# Altium PCB Waffling60-NMB.PcbDoc (part 2 of 3)
Units mm, origin at the board's own origin, x right, y up, seen from the top; angles counter-clockwise.
Board outline 284.7 x 94.21 mm, 2 copper layers (Component Side, Bottom Layer), stack 1.571 mm thick; 209 components, 132 nets, 867 pads, 230 vias.
Unrouted connection lines stored in the file: 4.
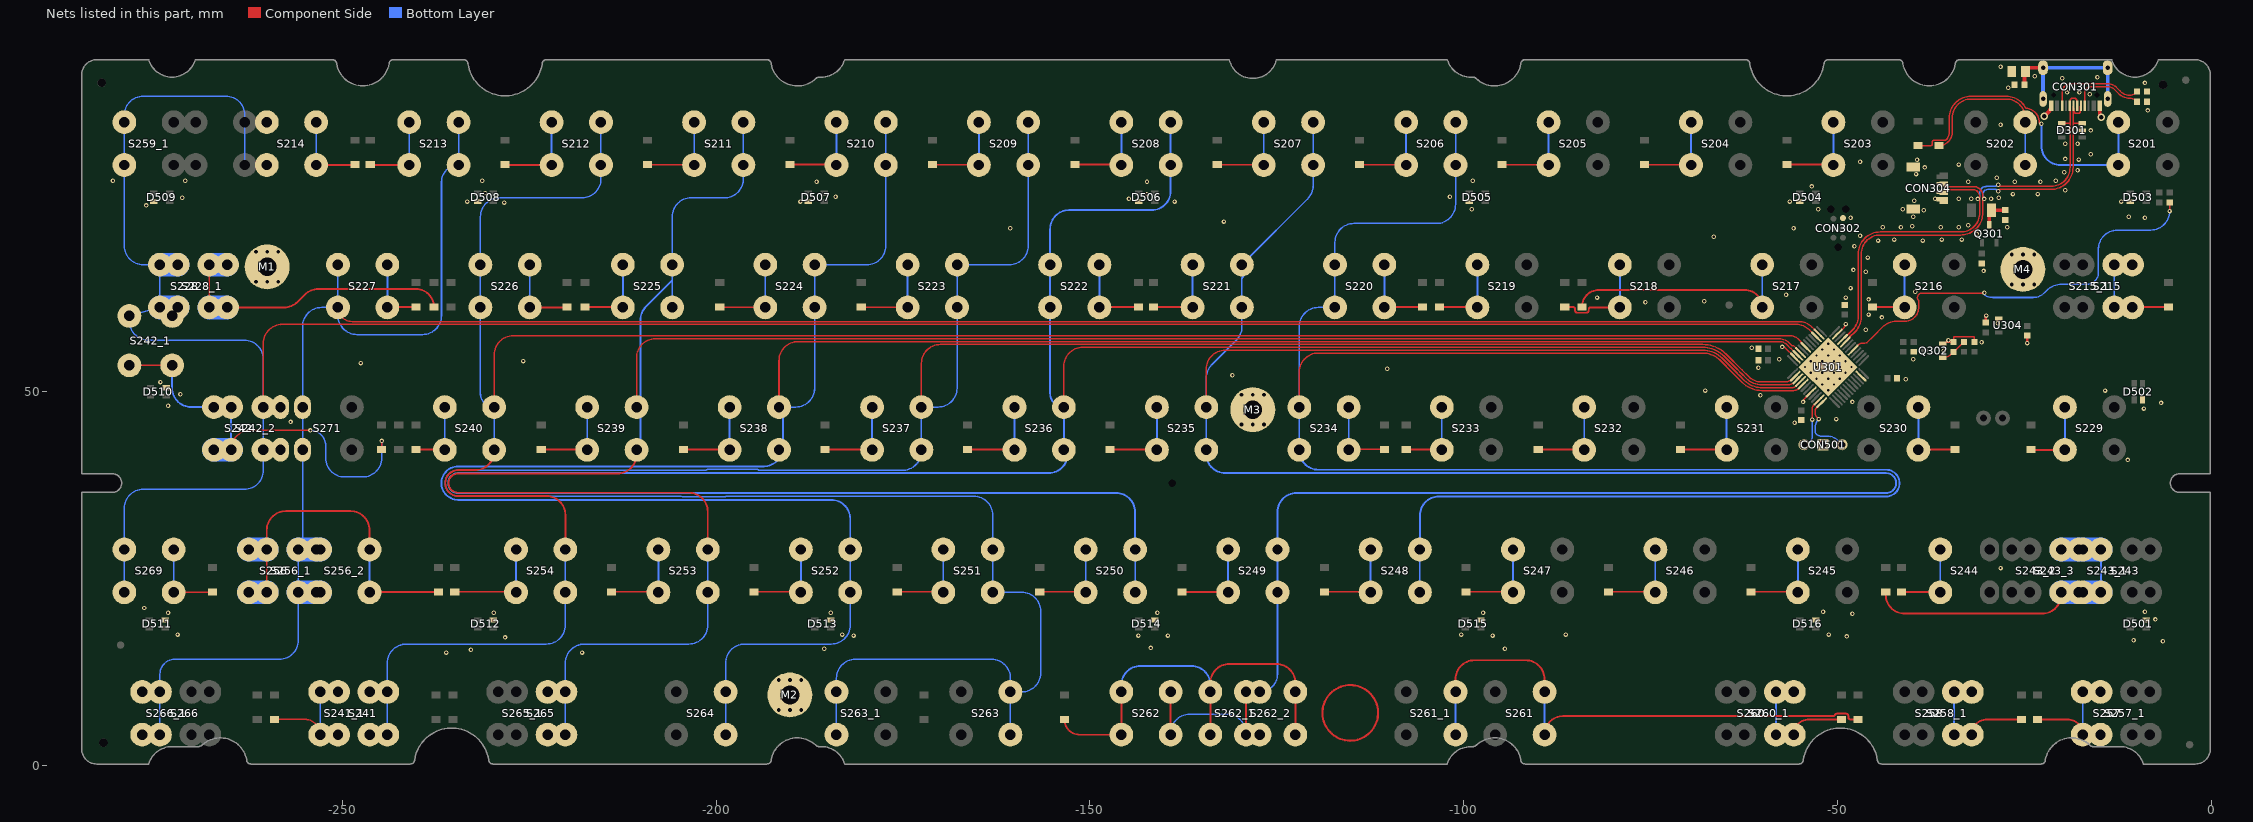
[diagram p2: the nets of this part, all layers, seen from the top]

## Via types
v1: diameter 0.6, hole 0.3, Component Side to Bottom Layer, tented both sides, 201 vias
v2: diameter 0.6, hole 0.3, Component Side to Bottom Layer, tented bottom, 25 vias
v3: diameter 1, hole 0.6, Component Side to Bottom Layer, tented both sides, 4 vias

## Nets (pads, with @x,y where several pads share a name; then routed paths per layer and width w, separated by ;. In a path a pad name is that pad's centre, name@x,y a point inside that pad or via, vN(x,y) a via of type N, cw(c..) or ccw(c..) an arc to the next point about the centre after c; other vN are vias at no path point) (continued)
col6: S206.2 S220.2 S234.2 S248.2 U301.5 | length 296.6
  Component Side w0.203: S234.2@-121.988,47.955 -121.988,52.643 cw(c-119.448,52.643) -119.448,55.183 -68.042,55.183 cw(c-68.042,51.877) -65.703,54.214 -63.97,52.48 -62.742,51.252 ccw(c-60.132,53.861) -60.132,50.171 -55.88,50.171 ccw(c-55.88,51.188) -55.31,50.346 ccw(c-55.88,51.188) -55.161,50.469 U301.5@-54.777,50.852
  Bottom Layer w0.203: S234.2@-121.988,42.235 S234.2@-121.988,47.955 -121.988,58.745 cw(c-119.448,58.745) -119.448,61.285 S220.2@-117.225,61.285 S220.2@-117.225,67.005 -117.225,69.977 cw(c-114.685,69.977) -114.685,72.517 -103.64,72.517 ccw(c-103.64,75.057) -101.1,75.057 S206.2@-101.1,80.335 S206.2@-101.1,86.055 ; S248.2@-105.862,23.185 S248.2@-105.862,28.905
  Bottom Layer w0.254: S234.2@-121.988,42.235 -121.988,42.116 ccw(c-119.448,42.116) -119.448,39.576 -43.5,39.576 cw(c-43.5,37.79) -43.5,36.004 -103.322,36.004 ccw(c-103.322,33.464) -105.862,33.464 S248.2@-105.862,28.905
col7: S207.2 S221.2 S235.2 S249.2 S262.1 S262_1.1 S262_2.1 U301.4 | length 368.1
  Component Side w0.203: S235.2@-134.437,47.955 -134.437,53.026 cw(c-131.897,53.026) -131.897,55.566 -68.042,55.566 cw(c-68.042,51.877) -65.431,54.484 -63.418,52.47 -63.328,52.381 -63.157,52.21 -62.471,51.523 ccw(c-60.132,53.861) -61.151,50.715 ccw(c-60.132,53.861) -60.597,50.587 ccw(c-60.132,53.861) -60.132,50.554 -56.022,50.554 ccw(c-56.022,51.069) -55.658,50.705 -55.157,51.206 U301.4@-55.131,51.206
  Component Side w0.254: S262.1@-139.199,4.135 S262.1@-139.199,9.855 ; S262_2.1@-129.123,4.135 S262_2.1@-129.123,9.855
  Bottom Layer w0.203: S262.1@-139.199,4.135 -139.199,4.318 cw(c-136.659,4.318) -136.659,6.858 -131.663,6.858 cw(c-131.663,4.318) -129.123,4.318 S262_2.1@-129.123,4.135 ; -134.437,49.784 -134.437,51.835 cw(c-131.897,51.835) -133.694,53.631 -130.419,56.906 ccw(c-132.215,58.702) -129.675,58.702 S221.2@-129.675,61.285 -129.675,65.178 ; S221.2@-129.675,67.005 -129.165,67.515 -120.894,75.786 ccw(c-122.69,77.582) -120.15,77.582 S207.2@-120.15,80.335 S207.2@-120.15,86.055 ; S262_1.1@-127.293,9.855 ccw(c-127.293,12.236) -124.912,12.236 S249.2@-124.912,23.185 S249.2@-124.912,28.905
  Bottom Layer w0.254: -134.437,49.784 S235.2@-134.437,47.955 S235.2@-134.437,42.235 -134.437,41.662 ccw(c-131.897,41.662) -131.897,39.122 -43.5,39.122 cw(c-43.5,37.79) -43.5,36.458 -122.372,36.458 ccw(c-122.372,33.918) -124.912,33.918 S249.2@-124.912,28.905 ; -129.675,65.178 ccw(c-131.705,66.705) -129.165,66.705 S221.2@-129.165,67.515
col8: S208.2 S222.2 S236.2 S250.2 U301.3 | length 355.6
  Component Side w0.203: S236.2@-153.487,47.955 -153.487,53.41 cw(c-150.947,53.41) -150.947,55.95 -68.042,55.95 cw(c-68.042,51.877) -65.159,54.754 -63.428,53.022 -63.242,52.836 ; -63.241,52.835 -63.051,52.646 ; -63.051,52.645 -62.885,52.48 -62.2,51.794 ccw(c-60.132,53.861) -62.198,51.792 ccw(c-60.132,53.861) -60.132,50.937 -56.572,50.937 ccw(c-56.572,51.999) U301.3@-55.822,51.248 ; U301.3@-55.822,51.248 -55.511,51.559 U301.3@-55.485,51.559
  Bottom Layer w0.203: S250.2@-143.962,23.185 S250.2@-143.962,28.905
  Bottom Layer w0.254: S236.2@-153.487,42.235 S236.2@-153.487,47.955 cw(c-153.487,49.793) -155.325,49.793 S222.2@-155.325,61.285 S222.2@-155.325,67.005 -155.325,71.755 cw(c-152.785,71.755) -152.785,74.295 -141.74,74.295 ccw(c-141.74,76.835) -139.2,76.835 S208.2@-139.2,80.335 S208.2@-139.2,86.055 ; S236.2@-152.977,41.662 cw(c-155.517,41.662) -155.517,39.122 -234.5,39.122 ccw(c-234.5,37.79) -234.5,36.458 -146.502,36.458 cw(c-146.502,33.918) -143.962,33.918 S250.2@-143.962,28.905
col9: S209.2 S223.2 S237.2 S251.2 S263.1 S263_1.1 U301.2 | length 397.3
  Component Side w0.203: S237.2@-172.537,47.955 -172.537,53.793 cw(c-169.997,53.793) -169.997,56.333 -68.042,56.333 cw(c-68.042,51.877) -64.888,55.024 -62.78,52.917 -61.928,52.065 ccw(c-60.132,53.861) -61.926,52.063 ccw(c-60.132,53.861) -60.132,51.321 -57.008,51.321 ccw(c-57.008,52.578) -56.42,51.467 cw(c-56.326,51.287) -56.414,51.47 ccw(c-56.598,51.86) -56.356,51.503 cw(c-56.243,51.334) -56.35,51.507 ccw(c-57.008,52.578) -56.267,51.562 ccw(c-56.613,52.036) -56.258,51.569 cw(c-56.136,51.407) -56.189,51.603 -56.169,51.583 -56.134,51.617 U301.2@-55.838,51.913
  Bottom Layer w0.203: S263_1.1@-183.899,4.135 S263_1.1@-183.899,9.855 -183.899,11.684 cw(c-181.359,11.684) -181.359,14.224 -163.171,14.224 cw(c-163.171,11.684) -160.631,11.684 S263.1@-160.631,9.855 ; S223.2@-167.775,65.432 S223.2@-167.775,61.285 -167.775,50.495 cw(c-170.315,50.495) -170.315,47.955 S237.2@-172.537,47.955 S237.2@-172.537,42.235 -172.537,42.037 cw(c-175.077,42.037) -174.651,39.533 cw(c-174.684,39.734) -174.683,39.53 -194.259,39.53 cw(c-194.259,39.734) -194.372,39.565 -194.405,39.587 ccw(c-194.518,39.418) -194.518,39.621 -201.122,39.621 ccw(c-201.121,39.418) -201.215,39.598 -201.305,39.552 cw(c-201.397,39.734) -201.396,39.53 -234.5,39.53 ccw(c-234.5,37.79) -234.505,36.05 -204.766,36.05 cw(c-204.766,35.846) -204.702,36.039 -204.492,35.969 ccw(c-204.428,36.162) -204.429,35.959 -198.839,35.959 ccw(c-198.839,36.162) -198.726,35.993 -198.693,36.015 cw(c-198.58,35.846) -198.58,36.05 -165.552,36.05 cw(c-165.552,33.51) -163.012,33.51 S251.2@-163.012,28.905 S251.2@-163.012,23.185 -159.131,23.185 cw(c-159.131,20.645) -156.591,20.645 -156.591,12.395 cw(c-159.131,12.395) -159.131,9.855 S263.1@-160.631,9.855 ; S223.2@-167.775,67.005 -167.265,67.005 -160.79,67.005 ccw(c-160.79,69.545) -158.25,69.545 S209.2@-158.25,80.335 S209.2@-158.25,86.055 ; S263.1@-160.631,4.135 S263.1@-160.631,9.855
  Bottom Layer w0.254: S223.2@-167.775,65.432 ccw(c-169.805,66.959) -167.265,66.959 S223.2@-167.265,67.005
col10: S210.2 S224.2 S238.2 S252.2 S264.2 U301.46 | length 349.6
  Component Side w0.203: S238.2@-191.587,47.955 -191.587,54.176 cw(c-189.047,54.176) -189.047,56.716 -57.836,56.716 cw(c-57.836,55.159) -56.736,56.261 ; -56.736,56.26 -56.28,55.804 -56.229,55.804 U301.46@-55.485,55.06
  Bottom Layer w0.203: S264.2@-198.731,4.135 S264.2@-198.731,9.855 -198.731,13.716 cw(c-196.191,13.716) -196.191,16.256 -184.602,16.256 ccw(c-184.602,18.796) -182.062,18.796 S252.2@-182.062,23.185 S252.2@-182.062,28.905 ; S238.2@-191.587,47.955 -191.077,47.955 -189.365,47.955 ccw(c-189.365,50.495) -186.825,50.495 S224.2@-186.825,61.285 S224.2@-186.825,67.005 -186.315,67.005 -179.84,67.005 ccw(c-179.84,69.545) -177.3,69.545 S210.2@-177.3,80.335 S210.2@-177.3,86.055
  Bottom Layer w0.254: S238.2@-191.077,47.955 -191.077,42.57 cw(c-193.617,42.57) -193.617,40.03 -234.5,40.03 ccw(c-234.5,37.79) -234.5,35.55 -184.602,35.55 cw(c-184.602,33.01) -182.062,33.01 S252.2@-182.062,28.905 ; S224.2@-186.315,66.578 S224.2@-186.315,67.005
col11: S211.2 S225.2 S239.2 S253.2 S265.1 S265_1.1 U301.45 | length 331.3
  Component Side w0.203: S239.2@-210.637,47.955 -210.637,54.559 cw(c-208.097,54.559) -208.097,57.099 -187.325,57.099 -69.342,57.099 -57.836,57.099 cw(c-57.836,55.159) -56.466,56.533 cw(c-57.836,55.159) -56.463,56.53 -56.121,56.187 -55.905,56.187 U301.45@-55.131,55.413
  Component Side w0.254: S239.2@-210.637,42.235 -210.637,41.622 cw(c-213.177,41.622) -213.177,39.082 -234.5,39.082 ccw(c-234.5,37.79) -234.51,36.498 ccw(c-234.505,36.958) -234.503,36.498 -208.408,36.498 ; -208.407,36.498 -207.772,36.498 -203.652,36.498 cw(c-203.652,33.958) -203.649,36.498 cw(c-203.652,33.958) -201.112,33.958 S253.2@-201.112,28.905
  Bottom Layer w0.203: S265.1@-220.162,4.135 S265.1@-220.162,9.855 -220.162,13.716 cw(c-217.622,13.716) -217.622,16.256 -203.652,16.256 ccw(c-203.652,18.796) -201.112,18.796 S253.2@-201.112,23.185 S253.2@-201.112,28.905 ; S225.2@-205.875,61.285 -205.875,64.924 S225.2@-205.875,67.005 -205.875,73.406 cw(c-203.335,73.406) -203.335,75.946 -198.89,75.946 ccw(c-198.89,78.486) -198.239,76.031 ccw(c-198.89,78.486) -196.43,77.855 ccw(c-198.89,78.486) -196.35,78.486 S211.2@-196.35,80.335 S211.2@-196.35,86.055
  Bottom Layer w0.254: S239.2@-210.127,43.024 -210.127,59.584 cw(c-207.587,59.584) -209.384,61.38 -206.109,64.655 ccw(c-207.905,66.451) -205.875,64.924
col12: S212.2 S226.2 S240.2 S241.1 S241_1.1 S254.2 U301.43 | length 321.7
  Component Side w0.203: S240.2@-229.687,47.955 -229.687,54.942 cw(c-227.147,54.942) -227.147,57.482 -188.087,57.482 -69.596,57.482 -56.284,57.482 cw(c-56.284,56.048) -55.27,57.063 ; -55.269,57.062 -54.849,56.642 -54.849,56.545 U301.43@-54.424,56.12
  Component Side w0.254: S240.2@-229.687,42.235 -229.687,42.056 cw(c-232.227,42.056) -232.227,39.516 -234.5,39.516 ccw(c-234.5,37.79) -234.513,36.064 ccw(c-234.505,36.958) -234.502,36.064 -227.457,36.064 -222.702,36.064 cw(c-222.702,33.524) -220.162,33.524 S254.2@-220.162,28.905
  Bottom Layer w0.203: S241.1@-243.974,4.135 S241.1@-243.974,9.855 -243.974,13.716 cw(c-241.434,13.716) -241.434,16.256 -222.702,16.256 ccw(c-222.702,18.796) -220.162,18.796 S254.2@-220.162,23.185 S254.2@-220.162,28.905 ; S240.2@-229.687,42.235 S240.2@-229.687,47.955 cw(c-229.687,49.793) -231.525,49.793 S226.2@-231.525,61.285 S226.2@-231.525,67.005 -231.525,73.406 cw(c-228.985,73.406) -228.985,75.946 -217.94,75.946 ccw(c-217.94,78.486) -215.4,78.486 S212.2@-215.4,80.335 S212.2@-215.4,86.055
col13: S213.2 S227.2 S256.2 S256_1.2 S256_2.2 S266.2 S266_1.2 S271.2 U301.38 | length 333.9
  Component Side w0.203: S227.2@-250.575,61.285 ccw(c-248.688,61.285) -248.688,59.398 -55.219,59.398 cw(c-55.219,56.858) -53.423,58.654 U301.38@-52.656,57.888
  Bottom Layer w0.203: S266.2@-274.387,4.135 S266.2@-274.387,9.855 -274.387,12.23 cw(c-272.393,12.23) -272.393,14.224 -258.421,14.224 ccw(c-258.421,16.764) -255.881,16.764 S256.2@-255.881,23.185 S256.2@-255.881,28.905 ccw(c-255.881,29.474) -255.312,29.474 S271.2@-255.312,42.235 S271.2@-255.312,47.955 -255.312,58.745 cw(c-252.772,58.745) -252.772,61.285 S227.2@-250.575,61.285 ; S227.2@-250.575,67.005 S227.2@-250.575,61.285 ; S213.2@-234.45,86.055 S213.2@-234.45,80.335 ccw(c-234.45,78.057) -236.728,78.057 -236.728,60.198 cw(c-239.268,60.198) -239.268,57.658 -248.035,57.658 cw(c-248.035,60.198) -250.575,60.198 S227.2@-250.575,61.285
  Bottom Layer w0.254: S256_1.2@-252.219,29.454 ccw(c-252.449,29.561) S256_1.2@-252.195,29.562
  Bottom Layer w3.18: S256.2@-255.881,23.185 S256_1.2@-253.5,23.185 S256_2.2@-252.956,23.185 ; S256.2@-255.881,28.905 S256_1.2@-253.5,28.905 S256_2.2@-252.956,28.905
col14: S214.2 S228.2 S228_1.2 S242.2 S242_1.2 S242_2.2 S259_1.2 S269.2 U301.39 | length 353.6
  Component Side w0.203: S242.2@-260.561,47.955 -260.561,56.475 cw(c-258.021,56.475) -258.021,59.015 -55.538,59.015 cw(c-55.538,56.487) -53.751,58.276 ; -53.75,58.275 U301.39@-53.01,57.534
  Bottom Layer w0.203: S269.2@-279.15,23.185 S269.2@-279.15,28.905 -279.15,34.417 cw(c-276.61,34.417) -276.61,36.957 -263.101,36.957 ccw(c-263.101,39.497) -260.561,39.497 S242.2@-260.561,42.235 S242.2@-260.561,47.955 -260.561,54.356 ccw(c-263.101,54.356) -263.101,56.896 -275.931,56.896 cw(c-275.931,59.436) -278.471,59.436 S242_1.2@-278.471,60.145 S228.2@-274.388,61.285 S228.2@-274.388,67.005 -276.61,67.005 cw(c-276.61,69.545) -279.15,69.545 S259_1.2@-279.15,80.335 S259_1.2@-279.15,86.055 -279.15,86.995 cw(c-276.61,86.995) -276.61,89.535 -265.565,89.535 cw(c-265.565,86.995) -263.025,86.995 -263.025,86.055 -263.025,80.335
  Bottom Layer w0.254: S228.2@-273.871,65.811 ccw(c-274.101,65.919) -273.849,65.956 cw(c-271.087,66.365) -273.648,67.478 ccw(c-273.881,67.578) S228.2@-273.627,67.576 ; S242_1.2@-272.751,59.38 S228_1.2@-272.751,60.145
  Bottom Layer w3.18: S228.2@-274.305,61.285 S228_1.2@-272.026,61.285 ; S228.2@-274.284,67.005 S228_1.2@-272.006,67.005
D_N: CON301.A7 CON301.B7 CON304.2 D301.3 U301.32 | length 67.2
  Component Side w0.2: U301.32@-48.802,56.827 -48.802,56.854 -48.346,57.311 -48.346,57.352 -47.652,58.046 ccw(c-49.609,60.004) -47.649,58.049 ccw(c-49.609,60.004) -46.841,60 ccw(c-49.609,60.004) -46.841,60.004 -46.841,68.431 cw(c-44.301,68.431) -44.301,70.971 -33.528,70.971 ccw(c-33.528,73.914) -32.867,71.046 ccw(c-33.528,73.914) -30.66,73.253 ccw(c-33.528,73.914) -30.585,73.914 -30.585,76.24 ccw(c-31.796,76.24) -31.796,77.452 -35.402,77.452 cw(c-35.402,77.85) CON304.2@-35.8,77.85 ; v1(-28.5,76.82) -28.253,77.067 -21.442,77.067 ccw(c-21.442,80.01) -18.498,80.01 -18.498,85.852 ; CON301.B7@-17.45,88.25 -17.5,88.18 -17.502,88.18 ccw(c-17.32,88.097) -17.52,88.097 -17.52,87.525 cw(c-17.8,87.525) -17.8,87.245 -18.1,87.245 cw(c-18.1,87.525) -18.38,87.525 -18.38,87.674 ccw(c-18.58,87.674) -18.398,87.757 -18.4,87.757 -18.498,88.202 -18.498,85.852 ; D301.3@-17.294,85.913 -18.351,85.913 ccw(c-18.351,85.705) -18.498,85.852
  Bottom Layer w0.2: v1(-30.37,75.8) -30.37,75.884 -30.603,76.117 -30.603,76.383 cw(c-29.928,76.383) -30.479,76.774 cw(c-29.928,76.383) -30.319,76.934 cw(c-29.928,76.383) -29.928,77.058 -28.817,77.058 -28.579,76.82 v1(-28.5,76.82)
D_P: CON301.A6 CON301.B6 CON304.3 D301.4 U301.33 | length 66.3
  Component Side w0.2: U301.33@-49.156,57.181 -49.129,57.181 -48.672,57.637 -48.631,57.637 -47.937,58.331 ccw(c-49.612,60.005) -47.244,60.005 -47.244,68.431 cw(c-44.301,68.431) -44.301,71.374 -33.528,71.374 ccw(c-33.528,73.914) -33.067,71.416 ccw(c-33.528,73.914) -31.03,73.453 ccw(c-33.528,73.914) -30.988,73.914 -30.988,76.073 ccw(c-31.963,76.073) -31.963,77.048 -35.402,77.048 ccw(c-35.402,76.65) CON304.3@-35.8,76.65 ; v1(-28.5,77.7) -28.27,77.47 -21.442,77.47 ccw(c-21.442,80.01) -18.902,80.01 -18.902,85.979 ; D301.4@-20.044,85.913 -19.061,85.913 ccw(c-19.061,86.138) -18.902,85.979 ; CON301.A6@-17.95,88.25 -18,88.373 -18.018,88.373 cw(c-17.82,88.402) -18.02,88.401 -18.02,88.975 ccw(c-18.3,88.975) -18.3,89.255 -18.6,89.255 ccw(c-18.6,88.975) -18.88,88.975 -18.88,88.701 cw(c-19.08,88.702) -18.881,88.688 -18.9,88.688 CON301.B6@-18.95,88.25 -18.902,88.202 -18.902,85.979
  Bottom Layer w0.2: v1(-31.24,75.8) -31.24,75.884 -31.007,76.117 -31.007,76.55 cw(c-30.095,76.55) -30.946,76.877 cw(c-30.095,76.55) -30.422,77.401 cw(c-30.095,76.55) -30.095,77.462 -28.817,77.462 -28.579,77.7 v1(-28.5,77.7)
ENC_A: CON501.3 U301.12 | length 8.6
  Component Side w0.203: -52.756,46.609 v1(-52.502,46.355) ; -52.757,46.61 cw(c-52.143,47.222) -53.01,47.222 -53.01,47.433 cw(c-52.501,47.433) -52.861,47.792 -52.303,48.351 U301.12@-52.303,48.377
  Bottom Layer w0.203: v1(-52.502,46.355) -52.583,46.274 ccw(c-51.552,45.243) -52.652,46.201 ccw(c-51.552,45.243) -53.01,45.243 -53.01,44.644 ccw(c-52.807,44.645) -52.988,44.553 ccw(c-52.197,44.958) -52.502,44.123 ccw(c-52.197,44.958) -52.197,44.069 -51.371,44.069 cw(c-51.371,42.076) -49.962,43.485 CON501.3@-49.403,42.926
ENC_B: CON501.1 U301.11 | length 6.7
  Component Side w0.203: v1(-53.393,46.281) -53.393,47.678 cw(c-52.631,47.678) -53.17,48.217 U301.11@-52.656,48.731
  Bottom Layer w0.203: CON501.1@-54.483,42.926 ccw(c-54.483,44.016) -53.393,44.016 v1(-53.393,46.281)
GND: C301.1 C302.1 C303.1 C304.1 C305.1 C306.1 C307.1 C308.1 C310.2 C312.1 CON301.A1B12 CON301.B1A12 CON302.5 CON304.4 CON304.5 CON501.2 D301.2 D501.3 D502.3 D503.3 D504.3 D505.3 D506.3 D507.3 D508.3 D509.3 D510.3 D511.3 D512.3 D513.3 D514.3 D515.3 D516.3 L301.1 M1.1 M2.1 M3.1 M4.1 Q302.2 R301.2 R302.2 R304.2 R305.2 R307.2 U301.8 U301.23 U301.35 U301.47 U304.1 | length 53.4
  Component Side w0.2: Q302.2@-35.954,56.449 -35.554,56.599 -34.812,56.599 R305.2@-34.487,56.642 -34.487,57.391 -31.693,57.391 R304.2@-31.693,56.657 ; v1(-28.575,59.182) -28.575,59.709 cw(c-28.463,59.709) U304.1@-28.463,59.821
  Component Side w0.203: v1(-57.404,56.007) cw(c-57.404,55.368) -56.952,55.82 U301.47@-55.838,54.706 ; v1(-54.61,48.641) cw(c-53.989,48.641) -54.428,49.08 U301.8@-53.717,49.792 ; U301.35@-49.863,57.888 ccw(c-49.907,58.086) -49.764,57.942 -49.16,58.546 ccw(c-49.68,59.066) -48.955,58.943 cw(c-48.755,58.908) v1(-48.895,59.055)
  Component Side w0.279: -111.462,7.175 cw(c-115.18,7.051) -111.463,7.189
  Component Side w0.3: C308.1@-30.169,59.239 v1@-30.169,60.24 ; v1(-24.638,56.515) C307.1@-24.638,57.516
  Component Side w0.5: v3(-22.352,86.868) -21.789,87.431 ccw(c-22.609,88.25) -21.475,88.009 ccw(c-22.609,88.25) CON301.B1A12@-21.45,88.25 ; CON301.A1B12@-14.95,88.25 -14.95,87.267 ccw(c-14.206,87.267) v3(-14.732,86.741)
  Bottom Layer w0.2: v2(-54.371,53.309) v2(-52.815,51.754) v2(-51.26,50.198) ; v2(-52.037,55.643) v2(-51.26,54.865) v2(-49.704,53.309) v2(-48.926,52.532) ; v2(-51.26,56.421) v2(-49.704,54.865) v2(-48.148,53.309)
  other v1: -236.093,15.113 -217.932,15.113 -232.791,15.494 -185.547,15.621 -94.488,15.621 -141.859,15.748 -6.477,16.637 -10.414,16.764 -228.219,17.145 -48.768,17.272 -181.61,17.399 -143.51,17.399 -139.573,17.399 -96.139,17.399 -272.034,17.526 -183.134,17.526 -100.33,17.526 -86.36,17.526 -51.181,17.526 -7.493,19.558 -48.006,20.32 -273.304,20.447 -229.743,20.447 -184.658,20.447 -140.97,20.447 -97.409,20.447 -51.943,20.574 -8.89,20.574 -276.479,21.082 -28.194,26.416 -11.176,40.894 -55.753,45.847 -256.921,45.974 -50.165,46.355 -9.017,47.752 -273.304,48.133 -6.731,48.514 -48.006,48.641 -60.325,49.53 -271.653,49.657 -67.691,50.165 -14.224,50.165 -274.32,51.308 -40.894,51.689 -130.937,52.197 -110.236,53.086 -60.579,53.213 -247.523,53.848 -225.806,54.102 -57.785,54.356 -39.878,54.356 -35.814,55.499 -61.468,55.88 -30.734,56.642 -35.179,56.896 -46.228,58.293 -44.069,59.944 -30.099,60.198 -45.847,60.325 -75.692,61.976 -67.818,62.103 -45.847,62.357 -82.169,62.611 -48.895,62.611 -56.896,62.992 -39.624,63.373 -48.26,63.881 -46.228,66.04 -30.48,66.167 -47.879,66.294 -45.974,67.945 -47.752,69.469 -44.577,70.231 -38.608,70.231 -42.418,70.358 -36.068,70.358 -33.401,70.358 -66.548,70.739 -46.99,70.866 -31.369,71.12 -160.655,71.882 -55.88,71.882 -43.942,72.009 -41.529,72.009 -36.195,72.009 -33.782,72.009 -27.305,72.009 -40.005,72.136 -32.512,72.263 -132.08,72.771 -48.26,73.279 -8.89,73.279 -39.878,73.406 -11.049,73.406 -38.481,74.295 -98.933,74.422 -52.578,74.422 -41.275,74.422 -276.225,74.93 -228.346,75.311 -233.299,75.438 -188.722,75.438 -138.684,75.438 -56.388,75.438 -12.065,75.438 -39.751,75.565 -144.78,75.819 -36.957,75.819 -33.782,75.819 -32.131,75.819 -29.464,75.819 -271.399,75.946 -28.448,75.946 -184.023,76.073 -101.854,76.073 -142.367,76.454 -26.543,76.454 -23.241,76.454 -230.886,76.581 -19.558,76.962 -53.467,77.47 -186.563,78.105 -142.367,78.105 -32.512,78.105 -26.289,78.105 -22.86,78.105 -280.67,78.232 -271.018,78.232 -231.267,78.232 -98.806,78.232 -20.828,78.232 -28.702,78.613 -39.497,79.121 -19.685,79.375 -17.907,79.629 -38.354,80.01 -33.782,80.391 -46.99,80.772 -39.37,81.026 -17.741,81.067 -19.558,81.153 -16.129,81.788 -19.558,83.185 -17.907,83.185 -16.129,84.963 -28.194,85.725 -8.509,87.63 -16.256,89.789 -19.304,90.043 -17.653,90.043 -27.178,90.678 -8.89,91.313 -19.939,91.948 -15.24,92.075 -23.622,92.202 -28.194,93.472
  other v2: -52.037,50.976 -50.482,50.976 -51.26,51.754 -49.704,51.754 -53.593,52.532 -52.037,52.532 -50.482,52.532 -52.815,53.309 -51.26,53.309 -53.593,54.087 -52.037,54.087 -50.482,54.087 -48.926,54.087 -52.815,54.865 -50.482,55.643
LED: R308.2 U301.29 | length 55.4
  Component Side w0.203: U301.29@-47.742,55.767 -47.265,56.243 cw(c-46.609,55.587) -46.609,56.515 -46.518,56.515 ccw(c-46.518,59.055) -46.168,56.539 ccw(c-46.197,56.74) -46.054,56.596 -45.211,57.439 -43.972,58.678 cw(c-42.176,56.882) -42.176,59.422 -41.199,59.422 ccw(c-41.025,61.285) -39.157,61.169 ccw(c-41.025,61.285) -39.156,61.381 cw(c-38.953,61.39) -39.156,61.389 -39.156,62.136 ccw(c-39.359,62.135) -39.197,62.258 cw(c-38.735,62.611) -38.735,63.193 -30.482,63.193 ccw(c-30.482,63.375) v1(-30.353,63.246) ; v1(-5.588,74.168) R308.2@-5.588,75.35
  Bottom Layer w0.203: v1(-30.353,63.246) -30.353,63.077 ccw(c-30.15,63.078) -30.257,62.905 ccw(c-29.22,64.603) -29.22,62.613 -23.85,62.613 ccw(c-23.85,64.77) -22.324,63.246 -22.022,63.548 cw(c-19.988,61.517) -19.988,64.391 -16.635,64.391 ccw(c-16.635,65.913) -15.113,65.913 -15.113,69.088 cw(c-12.573,69.088) -12.573,71.628 -8.128,71.628 ccw(c-8.128,74.168) v1(-5.588,74.168)
NetC306_2: C306.2 F301.1 Q301.3 | length 4
  Component Side w0.5: Q301.3@-29.718,72.32 -29.718,73.961 cw(c-29.384,73.961) F301.1@-29.384,74.295 -27.559,74.295 C306.2@-27.559,74.31
NetC309_2: C309.2 Q302.1 R305.1 | length 3.7
  Component Side w0.203: Q302.1@-35.954,54.549 ccw(c-35.954,56.176) -34.803,55.026 R305.1@-34.487,55.342 -34.189,55.64 -34.132,55.64 -33.115,56.657 C309.2@-33.09,56.657
NetC312_2: C312.2 CON301.S1 L301.2 | length 21.5
  Component Side w0.5: C312.2@-25.004,91.059 -25.004,92.694 cw(c-24.861,92.694) L301.2@-24.861,92.837 cw(c-24.353,92.837) -24.353,93.345 CON301.S1@-22.52,93.345
  Bottom Layer w0.5: CON301.S1@-22.52,89.165 CON301.S1@-22.52,93.345 CON301.S1@-13.88,93.345 CON301.S1@-13.88,89.165
NetCON301_A5: CON301.A5 R301.1 | length 9.9
  Component Side w0.203: CON301.A5@-16.95,88.25 -16.95,89.984 cw(c-16.129,89.984) -16.129,90.805 -13.843,90.805 cw(c-13.843,89.579) -12.976,90.446 -12.636,90.106 -12.49,89.96 -12.436,89.906 ccw(c-10.922,91.42) -10.922,89.279 cw(c-10.922,88.083) -10.077,88.929 R301.1@-9.921,88.773
NetCON301_B5: CON301.B5 R302.1 | length 13.1
  Component Side w0.203: CON301.B5@-19.95,88.25 -19.95,90.078 cw(c-18.84,90.078) -18.84,91.188 -13.843,91.188 cw(c-13.843,89.579) -12.704,90.716 -12.366,90.378 -12.219,90.231 ; -12.218,90.23 cw(c-12.074,90.373) -12.219,90.231 ; -12.218,90.229 -12.167,90.179 ccw(c-10.922,91.42) -10.922,89.662 ccw(c-10.922,90.852) -10.08,90.011 R302.1@-9.921,90.17
NetD201_1: D201.1 S201.1 | length 43.5
  Component Side w0.203: D201.1@-39.243,82.923 -37.544,82.923 ccw(c-37.544,83.126) -37.341,83.126 -37.341,83.378 cw(c-37.059,83.378) -37.059,83.66 -35.601,83.66 ccw(c-35.602,83.863) -35.458,83.719 ccw(c-36.449,84.701) -35.114,84.297 ccw(c-36.449,84.701) -35.054,84.701 -35.054,86.614 cw(c-32.131,86.614) -32.131,89.537 -27.44,89.537 cw(c-27.44,86.614) -25.664,88.936 cw(c-27.44,86.614) -25.115,88.386 cw(c-27.44,86.614) -24.878,88.021 ccw(c-24.7,88.12) -24.721,87.918 cw(c-24.9,86.055) -24.255,87.812 cw(c-24.9,86.055) -23.08,86.49 cw(c-24.9,86.055) -23.028,86.051 ccw(c-22.825,86.052) -22.86,85.852 v1(-22.733,85.852)
  Bottom Layer w0.254: v1(-22.733,85.852) -22.733,82.875 ccw(c-20.193,82.875) -20.193,80.335 S201.1@-12.45,80.335 S201.1@-12.45,86.055
NetD202_1: D202.1 S202.1 | length 23.7
  Component Side w0.203: D202.1@-36.449,82.923 ccw(c-36.449,84.701) -34.671,84.701 -34.671,86.614 cw(c-32.131,86.614) -32.131,89.154 -27.44,89.154 cw(c-27.44,86.614) -24.9,86.614 S202.1@-24.9,86.055
  Bottom Layer w0.254: S202.1@-24.9,80.335 S202.1@-24.9,86.055
NetD203_1: D203.1 S203.1 | length 12
  Component Side w0.254: D203.1@-56.769,80.383 -50.598,80.383 cw(c-50.598,80.335) S203.1@-50.55,80.335
  Bottom Layer w0.254: S203.1@-50.55,80.335 S203.1@-50.55,86.055
NetD204_1: D204.1 S204.1 | length 12
  Component Side w0.203: D204.1@-75.819,80.383 -69.648,80.383 cw(c-69.648,80.335) S204.1@-69.6,80.335
  Bottom Layer w0.254: S204.1@-69.6,80.335 S204.1@-69.6,86.055
NetD205_1: D205.1 S205.1 | length 12
  Component Side w0.203: D205.1@-94.869,80.383 -88.698,80.383 cw(c-88.698,80.335) S205.1@-88.65,80.335
  Bottom Layer w0.254: S205.1@-88.65,80.335 S205.1@-88.65,86.055
NetD206_1: D206.1 S206.1 | length 12
  Component Side w0.203: D206.1@-113.919,80.383 -107.748,80.383 cw(c-107.748,80.335) S206.1@-107.7,80.335
  Bottom Layer w0.254: S206.1@-107.7,80.335 S206.1@-107.7,86.055
NetD207_1: D207.1 S207.1 | length 12
  Component Side w0.203: D207.1@-132.969,80.383 -126.798,80.383 cw(c-126.798,80.335) S207.1@-126.75,80.335
  Bottom Layer w0.254: S207.1@-126.75,80.335 S207.1@-126.75,86.055
NetD208_1: D208.1 S208.1 | length 12
  Component Side w0.254: D208.1@-152.019,80.383 -145.848,80.383 cw(c-145.848,80.335) S208.1@-145.8,80.335
  Bottom Layer w0.254: S208.1@-145.8,80.335 S208.1@-145.8,86.055
NetD209_1: D209.1 S209.1 | length 12
  Component Side w0.203: D209.1@-171.069,80.383 -164.898,80.383 cw(c-164.898,80.335) S209.1@-164.85,80.335
  Bottom Layer w0.254: S209.1@-164.85,80.335 S209.1@-164.85,86.055
NetD210_1: D210.1 S210.1 | length 12
  Component Side w0.254: D210.1@-190.119,80.383 -183.948,80.383 cw(c-183.948,80.335) S210.1@-183.9,80.335
  Bottom Layer w0.254: S210.1@-183.9,80.335 S210.1@-183.9,86.055
NetD211_1: D211.1 S211.1 | length 12
  Component Side w0.203: D211.1@-209.169,80.383 -202.998,80.383 cw(c-202.998,80.335) S211.1@-202.95,80.335
  Bottom Layer w0.203: S211.1@-202.95,80.335 S211.1@-202.95,86.055
NetD212_1: D212.1 S212.1 | length 12
  Component Side w0.254: D212.1@-228.219,80.383 ccw(c-228.103,80.499) -228.103,80.335 S212.1@-222,80.335
  Bottom Layer w0.254: S212.1@-222,80.335 S212.1@-222,86.055
NetD213_1: D213.1 S213.1 | length 10.9
  Component Side w0.254: D213.1@-246.253,80.383 ccw(c-246.137,80.499) -246.137,80.335 S213.1@-241.05,80.335
  Bottom Layer w0.203: S213.1@-241.05,80.335 S213.1@-241.05,86.055
NetD214_1: D214.1 S214.1 | length 10.9
  Component Side w0.254: S214.1@-253.5,80.335 -248.401,80.335 ccw(c-248.401,80.499) D214.1@-248.285,80.383
  Bottom Layer w0.203: S214.1@-253.5,80.335 S214.1@-253.5,86.055
NetD215_1: D215.1 S215.1 S215_1.1 | length 10.6
  Component Side w0.254: S215.1@-10.612,61.285 cw(c-10.565,61.285) -10.565,61.333 D215.1@-5.715,61.333
  Bottom Layer w0.254: S215_1.1@-12.994,61.285 S215_1.1@-12.994,67.005
NetD216_1: D216.1 S216.1 | length 10.1
  Component Side w0.254: D216.1@-45.339,61.333 -41.073,61.333 cw(c-41.073,61.285) S216.1@-41.025,61.285
  Bottom Layer w0.254: S216.1@-41.025,61.285 S216.1@-41.025,67.005
NetD217_1: D217.1 S217.1 | length 32.5
  Component Side w0.254: D217.1@-84.201,61.333 cw(c-81.907,61.333) -81.907,63.627 -62.417,63.627 cw(c-62.417,61.285) S217.1@-60.075,61.285
  Bottom Layer w0.254: S217.1@-60.075,61.285 S217.1@-60.075,67.005
NetD218_1: D218.1 S218.1 | length 14.1
  Component Side w0.254: D218.1@-86.487,61.333 -85.372,61.333 cw(c-85.372,61.079) -85.118,61.079 -85.118,60.878 ccw(c-84.811,60.878) -84.811,60.571 -83.591,60.571 ccw(c-83.591,60.878) -83.284,60.878 -83.284,61.031 cw(c-83.03,61.031) -83.03,61.285 S218.1@-79.125,61.285
  Bottom Layer w0.254: S218.1@-79.125,61.285 S218.1@-79.125,67.005
NetD219_1: D219.1 S219.1 | length 10.8
  Component Side w0.254: D219.1@-103.251,61.333 -98.223,61.333 cw(c-98.223,61.285) S219.1@-98.175,61.285
  Bottom Layer w0.254: S219.1@-98.175,61.285 S219.1@-98.175,67.005
NetD220_1: D220.1 S220.1 | length 10.8
  Component Side w0.254: S220.1@-110.625,61.285 cw(c-110.577,61.285) -110.577,61.333 D220.1@-105.537,61.333
  Bottom Layer w0.254: S220.1@-110.625,61.285 S220.1@-110.625,67.005
NetD221_1: D221.1 S221.1 | length 11
  Component Side w0.254: D221.1@-141.478,61.333 -136.323,61.333 cw(c-136.323,61.285) S221.1@-136.275,61.285
  Bottom Layer w0.254: S221.1@-136.275,61.285 S221.1@-136.275,67.005
NetD222_1: D222.1 S222.1 | length 11
  Component Side w0.254: S222.1@-148.725,61.285 cw(c-148.677,61.285) -148.677,61.333 D222.1@-143.51,61.333
  Bottom Layer w0.254: S222.1@-148.725,61.285 S222.1@-148.725,67.005
NetD223_1: D223.1 S223.1 | length 12
  Component Side w0.203: D223.1@-180.594,61.333 -174.423,61.333 cw(c-174.423,61.285) S223.1@-174.375,61.285
  Bottom Layer w0.254: S223.1@-174.375,61.285 S223.1@-174.375,67.005
NetD224_1: D224.1 S224.1 | length 11.8
  Component Side w0.203: D224.1@-199.517,61.333 -193.473,61.333 cw(c-193.473,61.285) S224.1@-193.425,61.285
  Bottom Layer w0.254: S224.1@-193.425,61.285 S224.1@-193.425,67.005
NetD225_1: D225.1 S225.1 | length 10.8
  Component Side w0.254: D225.1@-217.551,61.333 -212.591,61.333 cw(c-212.591,61.169) S225.1@-212.475,61.285
  Bottom Layer w0.254: S225.1@-212.475,61.285 S225.1@-212.475,67.005
NetD226_1: D226.1 S226.1 | length 10.7
  Component Side w0.254: S226.1@-224.925,61.285 -220.08,61.285 ccw(c-220.08,61.449) D226.1@-219.964,61.333
  Bottom Layer w0.203: S226.1@-224.925,61.285 S226.1@-224.925,67.005
NetD227_1: D227.1 S227.1 | length 9.6
  Component Side w0.254: S227.1@-243.975,61.285 cw(c-243.859,61.169) -243.859,61.333 D227.1@-240.157,61.333
  Bottom Layer w0.254: S227.1@-243.975,61.285 S227.1@-243.975,67.005
NetD228_1: D228.1 S228.1 S228_1.1 | length 42.5
  Component Side w0.254: S228.1@-267.787,67.005 S228.1@-267.787,61.285 S228_1.1@-265.406,61.285 -257.776,61.285 ccw(c-257.776,63.825) -255.98,62.028 -254.998,63.01 cw(c-253.202,61.214) -253.202,63.754 -240.165,63.754 cw(c-240.165,61.333) D228.1@-237.744,61.333
  Bottom Layer w3.18: S228.1@-267.746,61.285 S228_1.1@-265.467,61.285 ; S228.1@-267.725,67.005 S228_1.1@-265.447,67.005
NetD229_1: D229.1 S229.2 | length 10.3
  Component Side w0.254: D229.1@-24.13,42.283 ccw(c-24.082,42.283) -24.082,42.235 S229.2@-19.594,42.235
  Bottom Layer w0.254: S229.2@-19.594,42.235 S229.2@-19.594,47.955
NetD230_1: D230.1 S230.1 | length 10.6
  Component Side w0.254: S230.1@-39.187,42.235 cw(c-39.14,42.235) -39.14,42.283 D230.1@-34.29,42.283
  Bottom Layer w0.254: S230.1@-39.187,42.235 S230.1@-39.187,47.955
NetD231_1: D231.1 S231.1 | length 11.9
  Component Side w0.254: D231.1@-70.993,42.283 -64.885,42.283 cw(c-64.885,42.235) S231.1@-64.838,42.235
  Bottom Layer w0.254: S231.1@-64.838,42.235 S231.1@-64.838,47.955
NetD232_1: D232.1 S232.1 | length 11.9
  Component Side w0.254: D232.1@-90.043,42.283 -83.935,42.283 cw(c-83.935,42.235) S232.1@-83.888,42.235
  Bottom Layer w0.254: S232.1@-83.888,42.235 S232.1@-83.888,47.955
NetD233_1: D233.1 S233.1 | length 10.5
  Component Side w0.254: D233.1@-107.696,42.283 -102.985,42.283 cw(c-102.985,42.235) S233.1@-102.938,42.235
  Bottom Layer w0.254: S233.1@-102.938,42.235 S233.1@-102.938,47.955
NetD234_1: D234.1 S234.1 | length 10.5
  Component Side w0.203: S234.1@-115.387,42.235 cw(c-115.34,42.235) -115.34,42.283 D234.1@-110.617,42.283
  Bottom Layer w0.203: S234.1@-115.387,42.235 S234.1@-115.387,47.955
NetD235_1: D235.1 S235.1 | length 12
  Component Side w0.254: D235.1@-147.32,42.283 -141.085,42.283 cw(c-141.085,42.235) S235.1@-141.038,42.235
  Bottom Layer w0.254: S235.1@-141.038,42.235 S235.1@-141.038,47.955
NetD236_1: D236.1 S236.1 | length 12
  Component Side w0.254: D236.1@-166.37,42.283 -160.135,42.283 cw(c-160.135,42.235) S236.1@-160.088,42.235
  Bottom Layer w0.254: S236.1@-160.088,42.235 S236.1@-160.088,47.955
NetD237_1: D237.1 S237.1 | length 12
  Component Side w0.254: D237.1@-185.42,42.283 -179.185,42.283 cw(c-179.185,42.235) S237.1@-179.138,42.235
  Bottom Layer w0.254: S237.1@-179.138,42.235 S237.1@-179.138,47.955
NetD238_1: D238.1 S238.1 | length 11.9
  Component Side w0.254: D238.1@-204.343,42.283 -198.235,42.283 cw(c-198.235,42.235) S238.1@-198.188,42.235
  Bottom Layer w0.254: S238.1@-198.188,42.235 S238.1@-198.188,47.955
NetD239_1: D239.1 S239.1 | length 11.9
  Component Side w0.254: D239.1@-223.393,42.283 -217.285,42.283 cw(c-217.285,42.235) S239.1@-217.238,42.235
  Bottom Layer w0.203: S239.1@-217.238,42.235 S239.1@-217.238,47.955
NetD240_1: D240.1 S240.1 | length 9.6
  Component Side w0.254: D240.1@-240.157,42.283 -236.335,42.283 cw(c-236.335,42.235) S240.1@-236.288,42.235
  Bottom Layer w0.203: S240.1@-236.288,42.235 S240.1@-236.288,47.955
NetD241_1: D241.1 S241.2 S241_1.2 | length 13
  Component Side w0.203: D241.1@-259.08,6.183 -255.004,6.183 cw(c-255.004,4.135) S241_1.2@-252.956,4.135
  Bottom Layer w0.203: S241_1.2@-252.956,4.135 S241_1.2@-252.956,9.855
NetD242_1: D242.1 S242.1 S242_1.1 S242_2.1 | length 57.1
  Component Side w0.203: S242_1.1@-278.471,53.545 S242_1.1@-272.751,53.545 ; S242_2.1@-264.862,42.239 -264.862,42.291 cw(c-262.322,42.291) -262.322,44.831 v1(-254.254,44.831) ; v1@-244.856,43.561 cw(c-244.856,43.434) v1(-244.729,43.434) D242.1@-244.729,42.283
  Bottom Layer w0.203: v1(-254.254,44.831) cw(c-254.254,42.799) -252.267,43.225 cw(c-254.254,42.799) -252.222,42.799 -252.222,41.148 ccw(c-249.682,41.148) -249.682,38.608 -247.269,38.608 ccw(c-247.269,41.148) -244.729,41.148 v1(-244.729,43.434)
  Bottom Layer w0.254: S242_1.1@-272.751,53.545 -272.751,50.495 ccw(c-270.211,50.495) -270.211,47.955 S242.1@-267.161,47.955 -264.862,47.955 S242_2.1@-264.862,42.239
  Bottom Layer w3.18: S242.1@-267.161,42.235 S242_2.1@-264.883,42.235
NetD243_1: D243.1 S243.1 S243_1.1 S243_2.1 S243_3.1 | length 41.2
  Component Side w0.254: D243.1@-43.561,23.233 -43.561,22.86 ccw(c-41.021,22.86) -41.021,20.32 -22.634,20.32 ccw(c-22.634,22.86) -20.094,22.86 S243_2.1@-20.094,23.185
  Bottom Layer w0.254: S243.1@-14.791,23.185 S243.1@-14.791,28.905
  Bottom Layer w3.18: S243_2.1@-20.094,23.185 S243_3.1@-18.256,23.185 ; S243_2.1@-20.094,28.905 S243_3.1@-18.256,28.905 ; S243_3.1@-17.715,28.905 S243.1@-14.791,28.905 ; S243_3.1@-16.629,23.185 S243.1@-14.791,23.185
NetD244_1: D244.1 S244.2 | length 11
  Component Side w0.254: D244.1@-41.468,23.233 -36.31,23.233 cw(c-36.31,23.185) S244.2@-36.263,23.185
  Bottom Layer w0.203: S244.2@-36.263,23.185 S244.2@-36.263,28.905
NetD245_1: D245.1 S245.1 | length 12
  Component Side w0.203: D245.1@-61.595,23.233 -55.36,23.233 cw(c-55.36,23.185) S245.1@-55.312,23.185
  Bottom Layer w0.254: S245.1@-55.312,23.185 S245.1@-55.312,28.905
NetD246_1: D246.1 S246.1 | length 12
  Component Side w0.203: D246.1@-80.645,23.233 -74.41,23.233 cw(c-74.41,23.185) S246.1@-74.362,23.185
  Bottom Layer w0.203: S246.1@-74.362,23.185 S246.1@-74.362,28.905
NetD247_1: D247.1 S247.1 | length 12
  Component Side w0.203: D247.1@-99.695,23.233 -93.46,23.233 cw(c-93.46,23.185) S247.1@-93.412,23.185
  Bottom Layer w0.203: S247.1@-93.412,23.185 S247.1@-93.412,28.905
NetD248_1: D248.1 S248.1 | length 11.9
  Component Side w0.203: D248.1@-118.618,23.233 -112.51,23.233 cw(c-112.51,23.185) S248.1@-112.462,23.185
  Bottom Layer w0.254: S248.1@-112.462,23.185 S248.1@-112.462,28.905
NetD249_1: D249.1 S249.1 | length 11.9
  Component Side w0.254: D249.1@-137.668,23.233 -131.56,23.233 cw(c-131.56,23.185) S249.1@-131.512,23.185
  Bottom Layer w0.254: S249.1@-131.512,23.185 S249.1@-131.512,28.905
NetD250_1: D250.1 S250.1 | length 11.9
  Component Side w0.203: D250.1@-156.718,23.233 -150.61,23.233 cw(c-150.61,23.185) S250.1@-150.562,23.185
  Bottom Layer w0.203: S250.1@-150.562,23.185 S250.1@-150.562,28.905
NetD251_1: D251.1 S251.1 | length 11.9
  Component Side w0.203: D251.1@-175.768,23.233 -169.66,23.233 cw(c-169.66,23.185) S251.1@-169.612,23.185
  Bottom Layer w0.203: S251.1@-169.612,23.185 S251.1@-169.612,28.905
NetD252_1: D252.1 S252.1 | length 12
  Component Side w0.203: D252.1@-194.945,23.233 -188.71,23.233 cw(c-188.71,23.185) S252.1@-188.662,23.185
  Bottom Layer w0.254: S252.1@-188.662,23.185 S252.1@-188.662,28.905
NetD253_1: D253.1 S253.1 | length 12
  Component Side w0.203: D253.1@-213.995,23.233 -207.76,23.233 cw(c-207.76,23.185) S253.1@-207.712,23.185
  Bottom Layer w0.254: S253.1@-207.712,23.185 S253.1@-207.712,28.905
NetD254_1: D254.1 S254.1 | length 13.9
  Component Side w0.203: D254.1@-234.95,23.233 -226.81,23.233 cw(c-226.81,23.185) S254.1@-226.762,23.185
  Bottom Layer w0.254: S254.1@-226.762,23.185 S254.1@-226.762,28.905
NetD255_1: D255.1 S256.1 S256_1.1 S256_2.1 | length 47.3
  Component Side w0.254: S256_1.1@-260.1,23.185 S256_1.1@-260.1,28.905 -260.1,31.496 cw(c-257.56,31.496) -257.56,34.036 -248.896,34.036 cw(c-248.896,31.496) -246.356,31.496 S256_2.1@-246.356,28.905 ; S256_2.1@-246.356,23.185 cw(c-246.308,23.185) -246.308,23.233 D255.1@-237.109,23.233
  Bottom Layer w0.254: S256_2.1@-246.356,23.185 S256_2.1@-246.356,28.905
  Bottom Layer w3.18: S256.1@-262.481,23.185 S256_1.1@-260.1,23.185 ; S256.1@-262.481,28.905 S256_1.1@-260.1,28.905
NetD256_1: D256.1 S269.1 | length 11
  Component Side w0.203: S269.1@-272.55,23.185 -267.383,23.185 ccw(c-267.383,23.233) D256.1@-267.335,23.233
  Bottom Layer w0.203: S269.1@-272.55,23.185 S269.1@-272.55,28.905
NetD257_1: D257.1 S257.2 S257_1.2 | length 12.9
  Component Side w0.254: D257.1@-23.241,6.183 -19.26,6.183 cw(c-19.26,4.135) S257.2@-17.213,4.135
  Bottom Layer w0.254: S257.2@-17.213,4.135 S257.2@-17.213,9.855
NetD258_1: D258.1 S258.1 S258_1.2 | length 13.5
  Component Side w0.254: S258_1.2@-32.043,4.135 cw(c-29.995,4.135) -29.995,6.183 D258.1@-25.4,6.183
  Bottom Layer w0.254: S258.1@-34.424,4.135 S258.1@-34.424,9.855
NetD260_1: D260.1 S260.1 S260_1.2 | length 13.3
  Component Side w0.254: S260_1.2@-55.856,4.135 cw(c-53.808,4.135) -53.808,6.183 D260.1@-49.482,6.183
  Bottom Layer w0.254: S260.1@-58.237,4.135 S260.1@-58.237,9.855
NetD261_1: D261.1 S261.1 S261_1.1 | length 73.7
  Component Side w0.254: S261_1.1@-101.099,9.855 -101.099,11.557 cw(c-98.559,11.557) -98.559,14.097 -91.733,14.097 cw(c-91.733,11.557) -89.193,11.557 S261.1@-89.193,9.855 ; S261.1@-89.193,4.135 cw(c-86.711,4.135) -86.711,6.617 -50.601,6.617 ccw(c-50.602,6.871) -50.372,6.765 cw(c-50.092,6.638) -50.092,6.945 -48.872,6.945 cw(c-48.872,6.638) -48.565,6.638 -48.565,6.437 ccw(c-48.311,6.437) -48.311,6.183 D261.1@-47.244,6.183
  Bottom Layer w0.254: S261_1.1@-101.099,4.135 S261_1.1@-101.099,9.855 ; S261.1@-89.193,4.135 S261.1@-89.193,9.855
NetD262_1: D262.1 S262.2 S262_1.2 S262_2.2 | length 59.3
  Component Side w0.254: D262.1@-153.416,6.183 ccw(c-151.368,6.183) -151.368,4.135 S262.2@-145.799,4.135 S262.2@-145.799,9.855 ; S262_1.2@-133.893,4.135 S262_1.2@-133.893,9.855 -133.893,11.049 cw(c-131.353,11.049) -131.353,13.589 -125.063,13.589 cw(c-125.063,11.049) -122.523,11.049 S262_2.2@-122.523,9.855 S262_2.2@-122.523,4.135
  Bottom Layer w0.254: S262.2@-145.799,9.855 -145.799,10.795 cw(c-143.259,10.795) -143.259,13.335 -136.433,13.335 cw(c-136.433,10.795) -133.893,10.795 S262_1.2@-133.893,9.855